# Altium PCB PMSM_Driver_V0.16.PcbDoc (part 2 of 2)
Units mil, origin at the board's own origin, x right, y up, seen from the top; angles counter-clockwise.
Board outline 3933.5 x 3936.3 mil, 2 copper layers (Top Layer, Bottom Layer); 174 components, 117 nets, 508 pads, 484 vias.
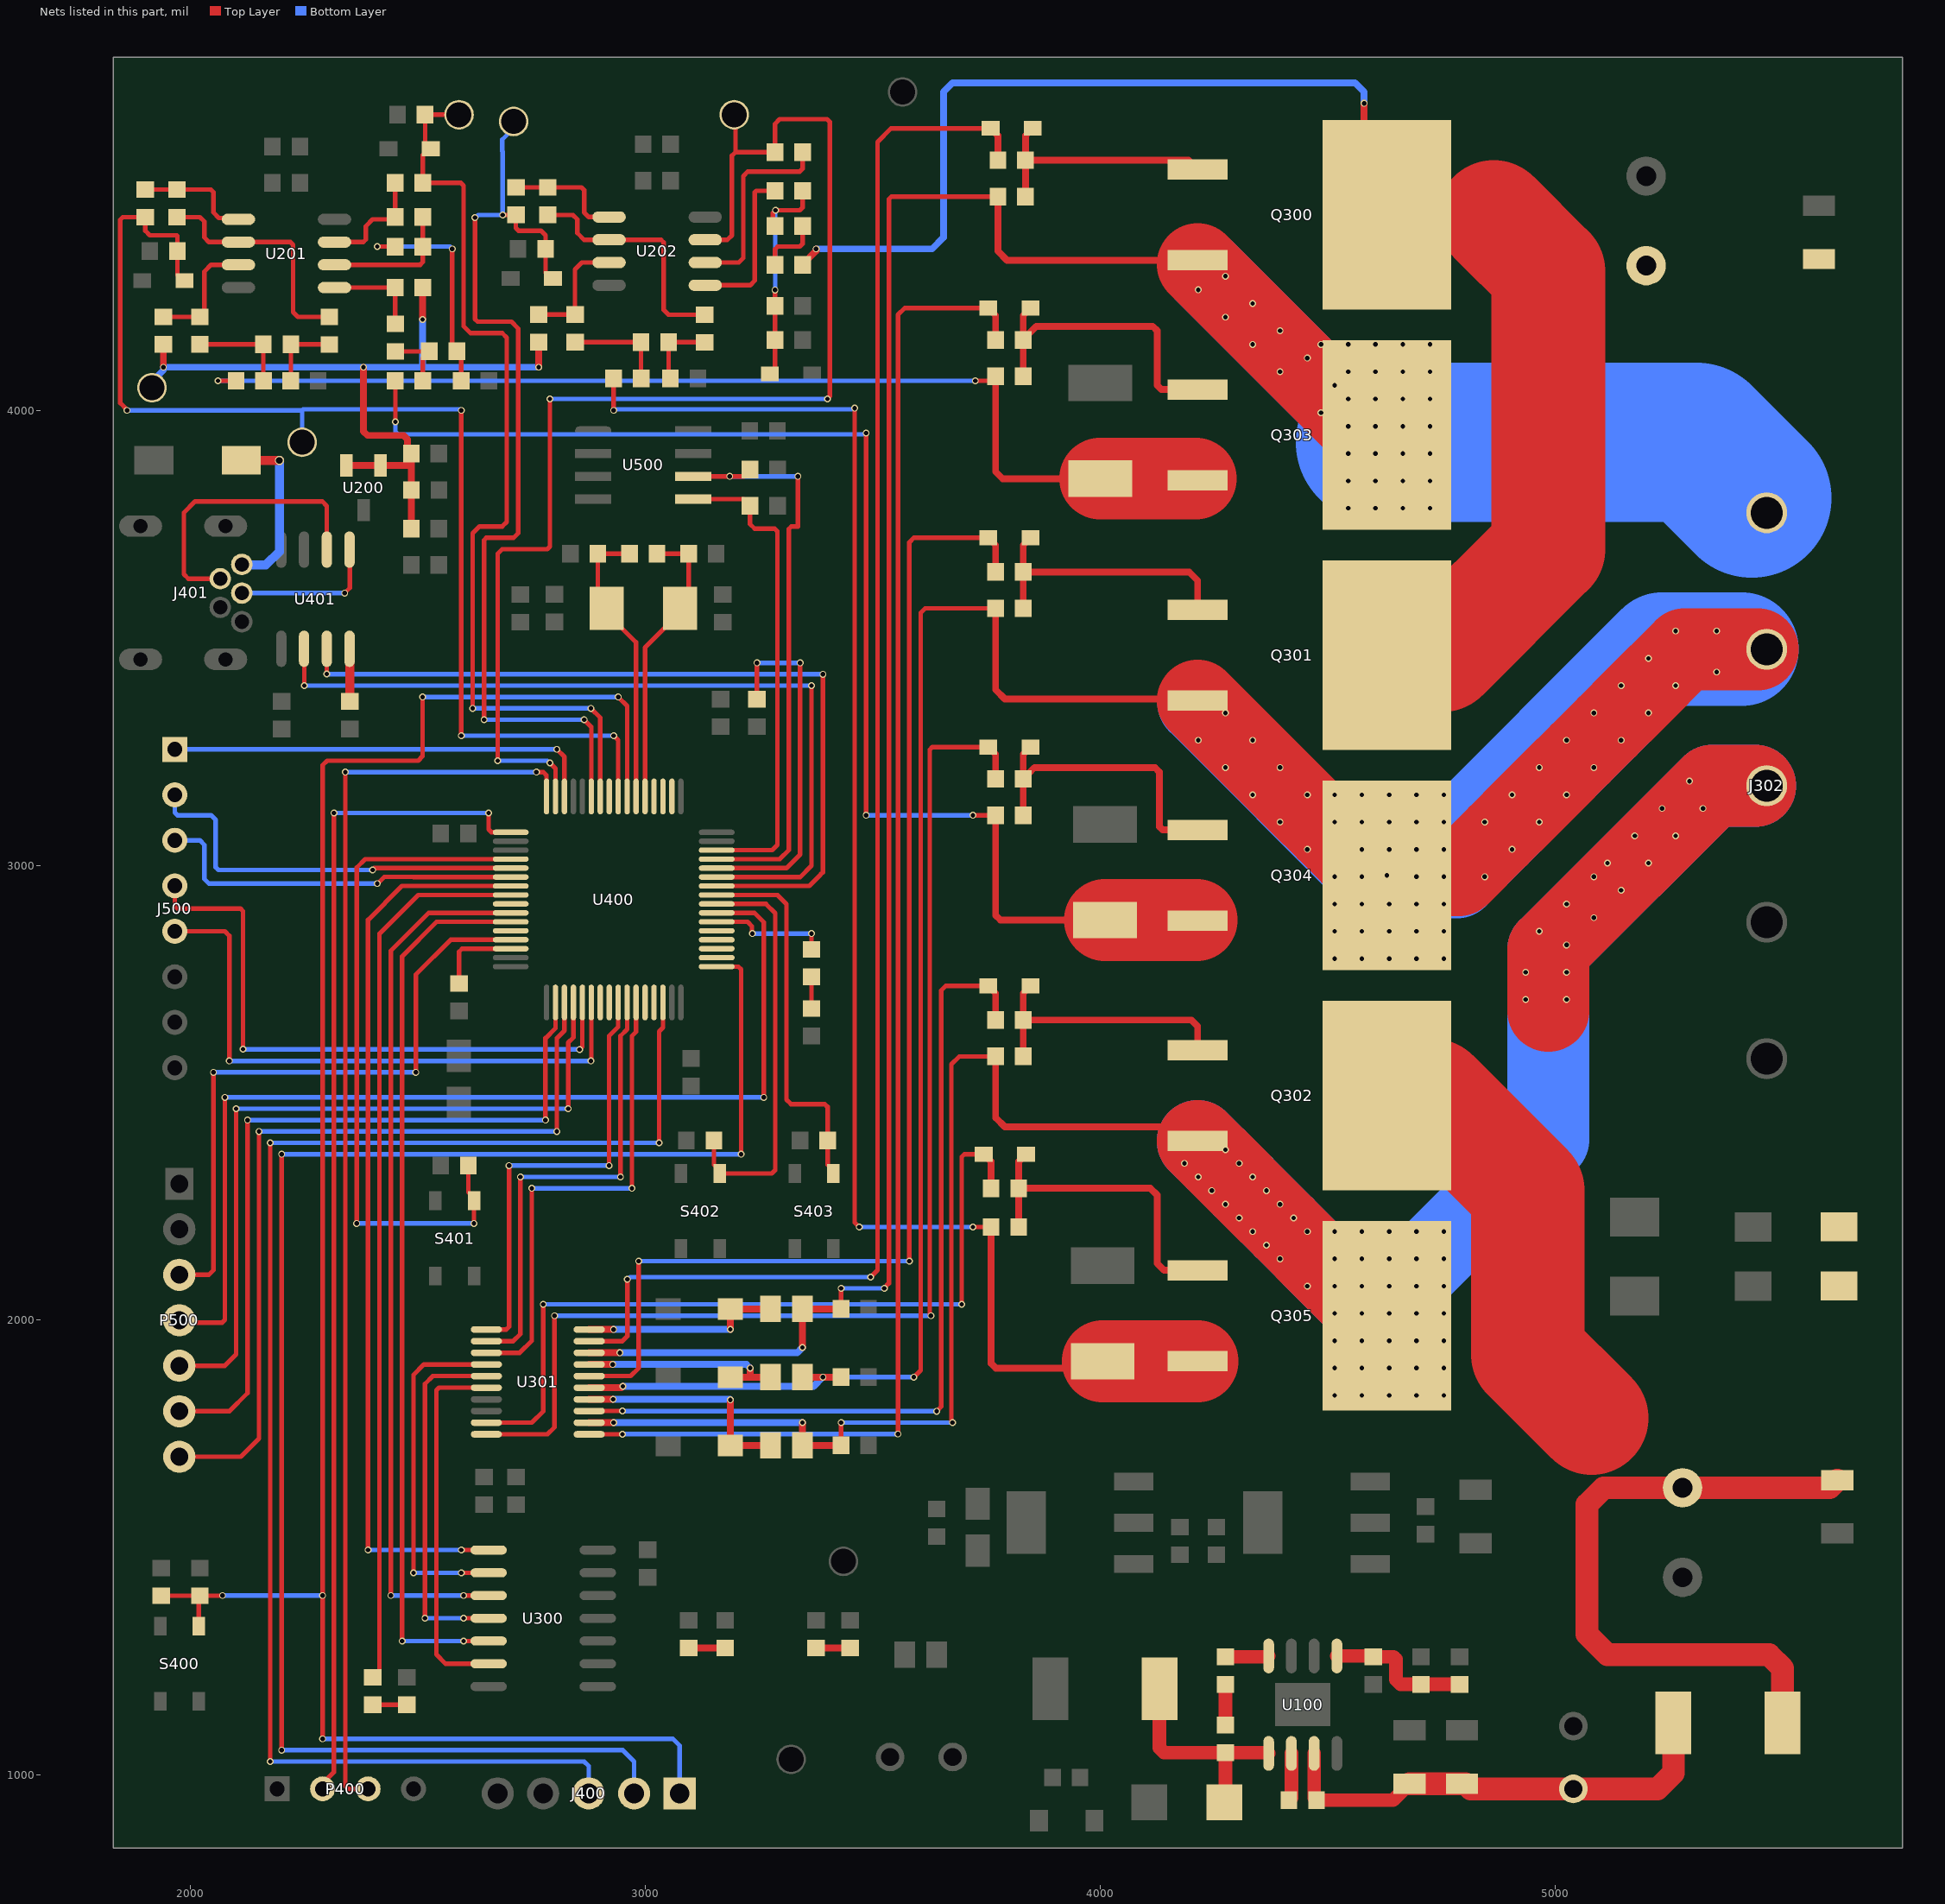
[diagram p2: the nets of this part, all layers, seen from the top]

## Via types
v1: diameter 15, hole 10, Top Layer to Bottom Layer, 465 vias
v2: diameter 30, hole 25, Top Layer to Bottom Layer, 11 vias
v3: diameter 24, hole 12, Top Layer to Bottom Layer, 4 vias
v4: diameter 20, hole 15, Top Layer to Bottom Layer, 3 vias
v5: diameter 30, hole 20, Top Layer to Bottom Layer, 1 vias

## Nets (pads, with @x,y where several pads share a name; then routed paths per layer and width w, separated by ;. In a path a pad name is that pad's centre, name@x,y a point inside that pad or via, vN(x,y) a via of type N, cw(c..) or ccw(c..) an arc to the next point about the centre after c; other vN are vias at no path point) (continued)
EG-VS1: C304.2 J302.1 Q300.3 Q303.4 R303.1 R306.2 U301.18 | length 5971.6
  Top Layer w10: R306.2@3429.68,2025 3429.68,2069.68 v1(3430,2070) ; v1(3525,2070) 3525,2071.35 3535,2081.35 3535,4464.14 3540.86,4470 R303.1@3774.69,4470
  Top Layer w15: U301.18@2876.06,1928.54 v1(2943.54,1928.54) ; v1(3345,1940) v1(3345,1940) C304.2@3345.04,2025 R306.2@3429.68,2025 ; R303.1@3774.69,4470 3774.69,4350.31 3795,4330 Q300.3@4213.8,4330
  Top Layer w180: Q300.3@4213.8,4321.2 4589,3946 Q303.4@4630,3946
  Bottom Layer w10: v1(3430,2070) v1(3525,2070)
  Bottom Layer w15: v1(2943.54,1928.54) 3333.54,1928.54 v1(3345,1940)
  Bottom Layer w180: 4229.8,4305.2 4605,3930
  Bottom Layer w350: 4605,3930 5310,3930 5432.5,3807.5
  other v1: 4545,3785 4605,3785 4665,3785 4725,3785 4545,3845 4605,3845 4665,3845 4725,3845 4545,3905 4605,3905 4665,3905 4725,3905 4545,3965 4605,3965 4665,3965 4725,3965 4485,3995 4545,4025 4605,4025 4665,4025 4725,4025 4515,4055 4395,4085 4545,4085 4605,4085 4665,4085 4725,4085 4455,4115 4335,4145 4485,4145 4545,4145 4605,4145 4665,4145 4725,4145 4395,4175 4275,4205 4335,4235 4215,4265 4275,4295
EG-VS2: C306.2 J302.2 Q301.3 Q304.4 R304.1 R307.2 U301.15 | length 6433.2
  Top Layer w10: v1(3590,1875) 3605,1890 3605,3555 3615,3565 R304.1@3769.69,3565
  Top Layer w15: U301.15@2876.06,1851.77 2946.91,1851.77 v1(2950,1854.86) ; C306.2@3345.04,1875 v1(3390,1875) R307.2@3429.68,1875 ; R304.1@3769.69,3565 3769.69,3386.12 3790,3365.8 4210,3365.8 Q301.3@4213.8,3362
  Top Layer w180: Q301.3@4213.8,3362 4317.9,3257.9 4377.9,3197.9 4437.9,3137.9 4497.9,3077.9 4597.8,2978 v1(4630,2978) 4695,2978 4788,2978 4875,3065 4935,3125 4995,3185 5055,3245 5115,3305 5175,3365 5285,3475 J302.2@5445,3475
  Bottom Layer w10: v1(3390,1875) v1(3590,1875)
  Bottom Layer w15: v1(2950,1854.86) 3369.86,1854.86 v1(3390,1875)
  Bottom Layer w180: 4215.02,3357.98 4599.02,2973.98 4783.98,2973.98
  Bottom Layer w250: 4783.98,3023.98 5235,3475 5410,3475
  other v1: 4515,2795 4575,2795 4635,2795 4695,2795 4755,2795 4515,2855 4575,2855 4635,2855 4695,2855 4755,2855 4515,2915 4575,2915 4635,2915 4695,2915 4755,2915 4515,2975 4575,2975 4695,2975 4755,2975 4845,2975 4455,3035 4575,3035 4635,3035 4695,3035 4755,3035 4905,3035 4395,3095 4515,3095 4575,3095 4635,3095 4695,3095 4755,3095 4845,3095 4965,3095 4335,3155 4455,3155 4515,3155 4575,3155 4635,3155 4695,3155 4755,3155 4905,3155 5025,3155 4275,3215 4395,3215 4965,3215 5085,3215 4215,3275 4335,3275 5025,3275 5145,3275 4275,3335 5085,3335 5205,3335 5145,3395 5265,3395 5355,3425 5205,3455 5265,3515 5355,3515
EG-VS3: C307.2 J302.3 Q302.3 Q305.4 R305.1 R308.2 U301.12 | length 5818.7
  Top Layer w10: R308.2@3429.68,1725 3429.68,1774.68 v1(3430,1775) ; v1(3675,1775) 3672.5,1777.5 3672.5,2562.5 3690,2580 R305.1@3769.69,2580
  Top Layer w15: U301.12@2876.06,1775 v1(2930,1775) ; v1(3345,1775) C307.2@3345.04,1725 C307.2@3345.04,1725 R308.2@3429.68,1725 ; R305.1@3769.69,2580 3769.69,2445.31 3790,2425 4182.8,2425 Q302.3@4213.8,2394
  Top Layer w180: Q302.3@4213.8,2394 4283.9,2323.9 4343.9,2263.9 4403.9,2203.9 4493.9,2113.9 4597.8,2010 Q305.4@4630,2010 ; 4985,2680 4985,2815 5345,3175 J302.3@5440,3175
  Bottom Layer w10: v1(3430,1775) v1(3675,1775)
  Bottom Layer w15: v1(2930,1775) v1(3345,1775)
  Bottom Layer w180: 4213.8,2394 4253.9,2353.9 4313.9,2293.9 4403.9,2203.9 4523.9,2083.9 4597.8,2010 4985,2397.2 4985,2815 5345,3175 J302.3@5440,3175
  other v1: 4515,1835 4575,1835 4635,1835 4695,1835 4755,1835 4515,1895 4575,1895 4635,1895 4695,1895 4755,1895 4515,1955 4575,1955 4635,1955 4695,1955 4755,1955 4515,2015 4575,2015 4635,2015 4695,2015 4755,2015 4455,2075 4515,2075 4575,2075 4635,2075 4695,2075 4755,2075 4395,2135 4515,2135 4575,2135 4635,2135 4695,2135 4755,2135 4365,2165 4335,2195 4455,2195 4515,2195 4575,2195 4635,2195 4695,2195 4755,2195 4305,2225 4425,2225 4275,2255 4395,2255 4245,2285 4365,2285 4215,2315 4335,2315 4185,2345 4305,2345 4275,2375 4935,2705 5025,2705 4935,2765 5025,2765 5025,2825 4965,2855 5085,2885 5025,2915 5145,2945 5085,2975 5115,3005 5205,3005 5175,3065 5265,3065 5235,3125 5325,3125 5295,3185
HO1: D300.2 R300.1 U301.19 | length 3589.4
  Top Layer w10: U301.19@2876.06,1954.13 2949.13,1954.13 2960,1965 v1(2960,2090) ; v1(3495,2095) 3510,2110 3510,4590 3540,4620 D300.2@3758.54,4620
  Top Layer w15: D300.2@3758.54,4620 3774.69,4603.86 R300.1@3774.69,4550
  Bottom Layer w10: v1(2960,2090) 2961.35,2090 2966.35,2095 v1(3495,2095)
HO2: D301.2 R301.1 U301.16 | length 2785.6
  Top Layer w10: U301.16@2876.06,1877.36 2940.54,1877.36 2940.61,1877.43 2967.43,1877.43 2985,1895 v1(2985,2130) ; v1(3580,2130) 3580,3710 3590,3720 D301.2@3753.54,3720
  Top Layer w15: D301.2@3753.54,3720 3769.69,3703.86 R301.1@3769.69,3645
  Bottom Layer w10: v1(2985,2130) v1(3580,2130)
HO3: D302.2 R302.1 U301.13 | length 1882.7
  Top Layer w10: U301.13@2876.06,1800.59 v1(2949.41,1800.59) ; v1(3640,1800) 3650,1810 3650,2725 3660,2735 D302.2@3753.54,2735
  Top Layer w15: D302.2@3753.54,2735 3769.69,2718.86 R302.1@3769.69,2660
  Bottom Layer w10: v1(2949.41,1800.59) 2950,1800 v1(3640,1800)
HSE_IN: C400.2 OSC400.1 R401.1 U400.5 | length 642.7
  Top Layer w10: U400.5@2998.9,3151.37 2998.9,3478.34 3075.71,3555.15 OSC400.1@3075.71,3564.99 3094.68,3583.97 C400.2@3094.68,3685 R401.1@3025.31,3685
HSE_OUT: C401.2 OSC400.2 R401.2 U400.6 | length 637.7
  Top Layer w10: R401.2@2964.68,3685 C401.2@2895.32,3685 2895.32,3583.97 OSC400.2@2914.29,3564.99 2914.29,3555.15 2979.21,3490.23 U400.6@2979.21,3151.37
LO1: D303.2 R309.1 U301.11 | length 3420.6
  Top Layer w10: U301.11@2876.06,1749.41 v1(2949.41,1749.41) ; v1(3555,1750) 3555,4210 3570,4225 D303.2@3753.54,4225
  Top Layer w15: D303.2@3753.54,4225 3769.69,4208.86 R309.1@3769.69,4155
  Bottom Layer w10: v1(2949.41,1749.41) 2950,1750 v1(3555,1750)
LO2: D304.2 R310.1 U301.10 | length 2681.8
  Top Layer w10: U301.10@2650,1749.41 2784.41,1749.41 2800,1765 v1(2800,2010) ; v1(3627.5,2010) 3625,2012.5 3625,3254.14 3630.86,3260 D304.2@3753.54,3260
  Top Layer w15: D304.2@3753.54,3260 3769.69,3243.86 R310.1@3769.69,3190
  Bottom Layer w10: v1(2800,2010) v1(3627.5,2010)
LO3: D305.2 R311.1 U301.9 | length 1747.2
  Top Layer w10: U301.9@2650,1775 2750,1775 2775,1800 v1(2775,2035) ; v1(3695,2035) 3695,2359.14 3700.86,2365 D305.2@3743.54,2365
  Top Layer w15: D305.2@3743.54,2365 3759.69,2348.86 R311.1@3759.69,2290
  Bottom Layer w10: v1(2775,2035) v1(3695,2035)
MOTOR_AMP-U: Q303.3 R209.1 R312.1 R315.2 | length 2401.2
  Top Layer w10: v1(2060,4065) R209.1@2099.69,4065 ; v1(3725,4065) R312.1@3769.69,4065
  Top Layer w15: R312.1@3769.69,4065 3769.69,3865.31 3785,3850 R315.2@4000,3850 ; Q303.3@4209.8,3850 Q303.3@4213.8,3846
  Top Layer w180: R315.2@4000,3850 Q303.3@4209.8,3850
  Bottom Layer w10: v1(2060,4065) v1(3725,4065)
MOTOR_AMP-V: Q304.3 R211.1 R313.1 R316.2 | length 2943.8
  Top Layer w10: R211.1@2449.69,4065 2450,4064.69 v1(2450,3975) ; v1(3485,3110) v1(3485,3950) ; v1(3720,3110) R313.1@3769.69,3110
  Top Layer w15: R313.1@3769.69,3110 3769.69,2890.31 3780,2880 R316.2@4010,2880 ; Q304.3@4211.8,2880 Q304.3@4213.8,2878
  Top Layer w180: R316.2@4010,2880 Q304.3@4211.8,2880
  Bottom Layer w10: v1(2450,3975) 2450,3953.36 2455.86,3947.5 3481.15,3947.5 3483.65,3950 v1(3485,3950) ; v1(3485,3110) v1(3720,3110)
MOTOR_AMP-W: Q305.3 R223.1 R314.1 R317.2 | length 3460.3
  Top Layer w10: R223.1@2929.69,4070 2930,4069.69 v1(2930,4000) ; v1(3460,4005) 3460,2215 v1(3470,2205) ; v1(3720,2205) R314.1@3759.69,2205
  Top Layer w15: R314.1@3759.69,2205 3759.69,1905.31 3770,1895 3990,1895 R317.2@4005,1910
  Top Layer w180: R317.2@4005,1910 Q305.3@4213.8,1910
  Bottom Layer w10: v1(2930,4000) 2932.5,4002.5 3457.5,4002.5 v1(3460,4005) ; v1(3470,2205) v1(3720,2205)
NetC103_1: C103.1 R100.1 R102.2 U100.5 | length 322.2
  Top Layer w30: U100.5@4520,1262.11 4598.21,1262.11 R102.2@4600,1260.32 4644.68,1260.32 4650,1255 4650,1210 4660.31,1199.69 R100.1@4705,1199.69 C103.1@4790,1199.68
NetC104_1: C104.1 D100.2 L100.1 U100.1 | length 485.7
  Top Layer w30: L100.1@4130,1190 4130,1060 4140.32,1049.68 C104.1@4275,1049.68 ; D100.2@4272.68,940 4275,942.32 C104.1@4275,1049.68 ; U100.1@4370,1047.89 4368.21,1049.68 C104.1@4275,1049.68
NetC104_2: C104.2 R101.1 | length 89.4
  Top Layer w30: C104.2@4275,1110.31 R101.1@4275,1199.69
NetC105_1: C105.1 C106.2 C107.2 L101.2 R103.2 U100.3 | length 1034
  Top Layer w30: U100.3@4470,1047.89 4470,950.32 R103.2@4475.32,945 4643.66,945 C106.2@4680,981.34
  Top Layer w50: C106.2@4680,981.34 C107.2@4795,981.34 4802.68,981.34 4814.02,970 C105.1@5040,970 5225,970 5260,1005 L101.2@5260,1115
NetC207_1: C207.1 R209.2 R210.2 | length 219.9
  Top Layer w10: R210.2@2020,4145 C207.1@2159.68,4145 2159.68,4065.63 R209.2@2160.32,4065
NetC207_2: C207.2 R203.2 R204.2 | length 165.1
  Top Layer w10: R203.2@2219.68,4065 2220.32,4065.63 C207.2@2220.32,4145 2304.68,4145 R204.2@2305,4144.68
NetC208_1: C208.1 R211.2 R212.2 | length 145.8
  Top Layer w10: R212.2@2450,4129.68 2524.37,4129.68 C208.1@2524.68,4130 2524.68,4129.02 2510.32,4114.65 R211.2@2510.32,4065
NetC208_2: C208.2 R205.2 R206.2 | length 504.9
  Top Layer w10: v1(2410,4360) R206.2@2449.68,4360 ; v1(2575,4355) 2575,4140.31 C208.2@2585.32,4130 2594.68,4120.63 R205.2@2594.68,4065
  Bottom Layer w10: v1(2410,4360) 2570,4360 v1(2575,4355)
NetC211_1: C211.1 R223.2 R224.2 | length 225.1
  Top Layer w10: R224.2@2845,4150 C211.1@2990,4150 2990,4070.32 R223.2@2990.32,4070
NetC211_2: C211.2 R217.2 R218.2 | length 161.2
  Top Layer w10: R217.2@3054.68,4070 3050.63,4074.05 C211.2@3050.63,4150 3129.68,4150 R218.2@3130,4149.68
NetC213_2: C213.2 D203.1 R220.2 R221.2 R226.2 | length 503.6
  Top Layer w10: D203.1@3273.54,4080 3284.68,4091.14 R226.2@3284.68,4155 C213.2@3284.68,4230 v1(3284.68,4264.69) v1@3285,4265 ; R220.2@3284.68,4405 3280,4409.68 3280,4434.14 v1(3285.86,4440) 3339.46,4440 3345.31,4445.86 R221.2@3345.31,4482.66
  Bottom Layer w10: v1(3284.68,4264.69) 3285.27,4265.27 3285.27,4439.41 v1(3285.86,4440)
NetC403_2: C403.2 U400.30 | length 186.1
  Top Layer w10: C403.2@2590,2740.32 2590,2810 2596.73,2816.73 U400.30@2703.63,2816.73
NetC404_1: C404.1 U401.8 | length 116
  Top Layer w20: U401.8@2349.2,3476.03 2349.6,3475.63 2349.6,3360.71 C404.1@2350,3360.32
NetD105_K: D105.K R104.2 | length 82.1
  Top Layer w15: R104.2@3095,1279.68 3170,1279.68 D105.K@3175,1284.69
NetD106_K: D106.K R105.2 | length 75
  Top Layer w15: R105.2@3375,1279.68 D106.K@3450,1279.69
NetD300_1: D300.1 Q300.1 R300.2 R303.2 | length 615.5
  Top Layer w15: R303.2@3835.32,4470 R300.2@3835.32,4550 ; D300.1@3851.46,4620 3835.32,4603.86 R300.2@3835.32,4550 ; R300.2@3835.32,4550 Q300.1@4150.01,4550 ; Q300.1@4150.01,4550 4193.8,4550 Q300.1@4213.8,4530 4170.01,4530 Q300.1@4150.01,4550
NetD301_1: D301.1 Q301.1 R301.2 R304.2 | length 617.2
  Top Layer w15: R304.2@3830.32,3565 R301.2@3830.32,3645 ; D301.1@3846.46,3720 3830.32,3703.86 R301.2@3830.32,3645 ; Q301.1@4213.8,3562 4213.8,3626.2 4195,3645 R301.2@3830.32,3645
NetD302_1: D302.1 Q302.1 R302.2 R305.2 | length 603.1
  Top Layer w15: R305.2@3830.32,2580 R302.2@3830.32,2660 ; D302.1@3846.46,2735 3830.32,2718.86 R302.2@3830.32,2660 ; Q302.1@4213.8,2594 4213.8,2646.2 4200,2660 R302.2@3830.32,2660
NetD303_1: D303.1 Q303.1 R309.2 R312.2 | length 680.1
  Top Layer w15: R312.2@3830.32,4075 R309.2@3830.32,4155 R309.2@3830.32,4155.98 ; D303.1@3846.46,4225 3830.32,4208.86 R309.2@3830.32,4155.98 ; Q303.1@4213.8,4046 4134,4046 4125,4055 4125,4175 4115,4185 3859.33,4185 R309.2@3830.32,4155.98
NetD304_1: D304.1 Q304.1 R310.2 R313.2 | length 677.2
  Top Layer w15: R313.2@3830.32,3110 R310.2@3830.32,3190 R310.2@3830.32,3190.98 ; D304.1@3846.46,3260 3830.32,3243.86 R310.2@3830.32,3190.98 ; Q304.1@4213.8,3078 4137,3078 4130,3085 4130,3205 4120,3215 3855.32,3215 3842.11,3201.79 3841.12,3201.79 R310.2@3830.32,3190.98
NetD305_1: D305.1 Q305.1 R311.2 R314.2 | length 722.6
  Top Layer w15: R314.2@3820.32,2205 R311.2@3820.32,2290 ; D305.1@3836.46,2365 3820.32,2348.86 R311.2@3820.32,2290 ; Q305.1@4213.8,2110 4140,2110 4125,2125 4125,2275 4110,2290 R311.2@3820.32,2290
NetD400_1: D400.1 J401.1 | length 379.5
  Top Layer w20: D400.1@2111.16,3890 v4(2195,3890)
  Bottom Layer w20: J401.1@2112.39,3661.49 2113.88,3660 2165,3660 2195,3690 v4(2195,3890)
NetD401_A: D401.A R403.2 | length 69.4
  Top Layer w10: D401.A@3365,2685.32 R403.2@3365,2754.68
NetD402_A: D402.A R404.2 | length 75
  Top Layer w10: R404.2@2400,1154.68 D402.A@2475,1154.68
NetR101_2: R101.2 U100.8 | length 95.7
  Top Layer w30: R101.2@4275,1260.32 4368.21,1260.32 U100.8@4370,1262.11
NetR103_1: R103.1 U100.2 | length 105.1
  Top Layer w30: R103.1@4414.69,945 4420,950.31 U100.2@4420,1047.89
NetR201_1: R201.1 R207.1 U201.1 | length 258.1
  Top Layer w10: R207.1@1900,4485.31 R201.1@1970,4485.31 2044.14,4485.31 2050,4479.46 2050,4435 2062.17,4422.83 2102.17,4422.83 U201.1@2105,4420
NetR201_2: R201.2 R204.1 U201.2 | length 533.2
  Top Layer w10: R201.2@1970,4424.68 2020.32,4424.68 2030,4415 2030,4380 2040,4370 U201.2@2105,4370 2219.14,4370 2225,4364.14 2225,4215.86 2235.54,4205.31 R204.1@2305,4205.31
NetR202_1: R202.1 R208.1 U201.7 | length 251.2
  Top Layer w10: U201.7@2316.22,4370 2379.14,4370 2385,4375.86 2385,4405 2400,4420 2449.68,4420 R208.1@2449.68,4500
NetR202_2: R202.2 R206.1 U201.6 | length 290.7
  Top Layer w10: U201.6@2316.22,4320 2504.46,4320 2510.31,4325.86 R206.1@2510.31,4360 R202.2@2510.31,4420
NetR210_1: R210.1 R213.2 U201.3 | length 264.7
  Top Layer w10: R213.2@1940,4205.63 R210.1@2020,4205.63 2030,4215.63 2030,4305 2045,4320 U201.3@2105,4320
NetR212_1: R212.1 R214.2 U201.5 | length 213.3
  Top Layer w10: U201.5@2316.22,4270 R214.2@2449.68,4270 2449.68,4190.63 R212.1@2450,4190.31
NetR215_1: R215.1 U202.6 | length 441.6
  Top Layer w10: U202.6@3131.22,4325 3205,4325 3215,4335 3215,4515 3225,4525 3339.46,4525 3345.31,4530.86 R215.1@3345.31,4567.66
NetR216_1: R216.1 R222.1 U202.1 | length 261
  Top Layer w10: R222.1@2715,4490.31 R216.1@2785,4490.31 2859.14,4490.31 2865,4484.46 2865,4435 2875,4425 U202.1@2920,4425
NetR216_2: R216.2 R218.1 U202.2 | length 540.3
  Top Layer w10: R216.2@2785,4429.68 2840.32,4429.68 2850,4420 2850,4390 2865,4375 U202.2@2920,4375 3034.14,4375 3040,4369.14 3040,4220.86 3050.54,4210.31 R218.1@3130,4210.31
NetR219_2: R219.2 R220.1 | length 138.8
  Top Layer w10: R219.2@3284.68,4320 3284.68,4354.14 3290.54,4360 3339.46,4360 3345.31,4365.86 R220.1@3345.31,4405
NetR221_1: R221.1 U202.5 | length 353.2
  Top Layer w10: U202.5@3131.22,4275 3230,4275 3240,4285 3240,4479.07 3243.58,4482.66 R221.1@3284.68,4482.66
NetR224_1: R224.1 R225.2 U202.3 | length 260.6
  Top Layer w10: R225.2@2765,4210.63 R224.1@2845,4210.63 2845,4310 2860,4325 U202.3@2920,4325
NetR402_1: R402.1 U400.60 | length 1255.4
  Top Layer w10: U400.60@3156.37,2993.9 3310,2993.9 ; R402.1@3245,3365.31 v1(3245,3445) ; 3310,2993.9 3340,3023.9 ; 3310,2993.9 3340,3023.9 ; 3340,3023.9 v1(3340,3445) 3340,3023.9
  Bottom Layer w10: v1(3245,3445) v1(3340,3445)
NRST: C402.2 J400.5 R400.1 S400.1 U400.7 | length 4474.2
  Top Layer w10: R400.1@1935,1394.69 C402.2@2020,1394.68 ; S400.1@2017.83,1327.68 2017.83,1392.52 C402.2@2020,1394.68 ; v1(2070,1395) 2069.68,1394.68 C402.2@2020,1394.68 ; v1(2290,1080) 2290,3220 2300,3230 2500,3230 2510,3240 v1(2510,3370) ; v1(2940,3370) 2959.53,3350.47 U400.7@2959.53,3151.37
  Bottom Layer w10: v1(2070,1395) v1(2290,1395) ; v1(2290,1080) 3060,1080 3075,1065 J400.5@3075,960 ; v1(2510,3370) v1(2940,3370)
PA0: J500.1 U400.14 | length 950.6
  Top Layer w10: v1(2805,3255) 2821.73,3238.27 U400.14@2821.73,3151.37
  Bottom Layer w10: J500.1@1965,3255 v1(2805,3255)
PA1_ADC1_IN1_BUS_VOLTAGE: R215.2 T203.1 U202.7 U400.15 | length 2926
  Top Layer w10: v1(2675,3230) 2675,3685 2685,3695 2784.14,3695 2790,3700.86 v1(2790,4025) ; v1(2790,3225) 2802.05,3212.95 U400.15@2802.05,3151.37 ; U202.7@3131.22,4375 3180,4375 3190,4385 3190,4560 3197.66,4567.66 ; T203.1@3195,4650 3197.66,4647.34 3197.66,4567.66 ; v1(3400,4025) 3400,4026.35 3405,4031.35 3405,4634.14 3399.14,4640 3295,4640 3284.68,4629.68 R215.2@3284.68,4567.66 3197.66,4567.66
  Bottom Layer w10: v1(2675,3230) 2783.65,3230 2788.65,3225 v1(2790,3225) ; v1(2790,4025) v1(3400,4025) v1@3400.15,4025
PA2_UART2_TX: P400.3 U400.16 | length 2773.2
  Top Layer w10: v1(2340,3205) 2340,975.86 2345.86,970 P400.3@2390,970 ; v1(2760,3205) 2775,3205 2782.01,3197.99 2782.01,3151.72 U400.16@2782.36,3151.37
  Bottom Layer w10: v1(2340,3205) v1(2760,3205)
PA3_UART2_RX: P400.2 U400.17 | length 2582.7
  Top Layer w10: P400.2@2290,970 2290,982.02 2315,1007.02 v1(2315,3115) ; v1(2655,3115) 2655,3078.84 2660.86,3072.99 2703.28,3072.99 U400.17@2703.63,3072.64
  Bottom Layer w10: v1(2315,3115) v1(2655,3115)
PA4_START/STOP_BTN: C406.2 S401.1 U400.20 | length 1518.7
  Top Layer w10: v1(2365,2212.83) 2365,2995 2383.58,3013.58 U400.20@2703.63,3013.58 ; C406.2@2610.32,2340 2610.32,2282.09 2622.83,2269.57 S401.1@2622.83,2262.68 v1(2622.83,2212.83)
  Bottom Layer w10: v1(2365,2212.83) v1(2622.83,2212.83)
PA5: J500.2 U400.21 | length 892.5
  Top Layer w10: v1(2400,2990) 2403.9,2993.9 U400.21@2703.63,2993.9
  Bottom Layer w10: J500.2@1965,3155 1965,3115.86 1970.86,3110 2045,3110 2055,3100 2055,2995.86 2060.86,2990 v1(2400,2990)
PA6: J500.3 U400.22 | length 828
  Top Layer w10: v1(2410,2960) 2411.35,2960 2425.85,2974.5 2490,2974.5 2490.29,2974.21 U400.22@2703.63,2974.21
  Bottom Layer w10: J500.3@1965,3055 2020,3055 2030,3045 2030,2970 2040,2960 v1(2410,2960)
PA7_TIM1_CH1N_UL: U300.1 U400.23 | length 1994.5
  Top Layer w10: v1(2390,1495) 2390,2880 2464.53,2954.53 U400.23@2703.63,2954.53 ; v1(2595,1495) U300.1@2655,1495
  Bottom Layer w10: v1(2390,1495) v1(2595,1495)
PA7_TIM1_CH1N_UL-F: U300.2 U301.4 | length 769.5
  Top Layer w10: v1(2490,1445) 2490,1880 2512.95,1902.95 U301.4@2650,1902.95 ; v1(2595,1445) U300.2@2655,1445
  Bottom Layer w10: v1(2490,1445) v1(2595,1445)
PA8_TIM1_CH1_UH: U301.1 U400.41 | length 993.7
  Top Layer w10: U301.1@2650,1979.72 2694.14,1979.72 2700,1985.58 v1(2700,2340) ; v1(2920,2340) 2920,2625 2939.84,2644.84 U400.41@2939.84,2698.63
  Bottom Layer w10: v1(2700,2340) v1(2920,2340)
PA9_TIM1_CH2_VH: U301.2 U400.42 | length 1036.2
  Top Layer w10: U301.2@2650,1954.13 2709.13,1954.13 2725,1970 v1(2725,2315) ; v1(2945,2315) 2945,2625 2959.53,2639.53 U400.42@2959.53,2698.63
  Bottom Layer w10: v1(2725,2315) v1(2945,2315)
PA10_TIM1_CH3_WH: U301.3 U400.43 | length 1078.4
  Top Layer w10: U301.3@2650,1928.54 2723.54,1928.54 2750,1955 v1(2750,2290) ; v1(2970,2290) 2970,2625 2979.21,2634.21 U400.43@2979.21,2698.63
  Bottom Layer w10: v1(2750,2290) v1(2970,2290)
PA11: U400.44
PA12: U400.45
PA15: U400.50
PB0_TIM1_CH2N_VL: U300.3 U400.26 | length 1930.4
  Top Layer w10: v1(2440,1395) 2440,2812.37 2523.1,2895.47 U400.26@2703.63,2895.47 ; v1(2600,1395) U300.3@2655,1395
  Bottom Layer w10: v1(2440,1395) v1(2600,1395)
PB0_TIM1_CH2N_VL-F: U300.4 U301.5 | length 797.2
  Top Layer w10: v1(2515,1345) 2515,1860 2532.36,1877.36 U301.5@2650,1877.36 ; v1(2600,1345) U300.4@2655,1345
  Bottom Layer w10: v1(2515,1345) v1(2600,1345)
PB1_TIM1_CH3N_WL: U300.5 U400.27 | length 1965
  Top Layer w10: v1(2465,1295) 2465,2800 2540.79,2875.79 U400.27@2703.63,2875.79 ; v1(2600,1295) U300.5@2655,1295
  Bottom Layer w10: v1(2465,1295) v1(2600,1295)
PB1_TIM1_CH3N_WL-F: U300.6 U301.6 | length 816.4
  Top Layer w10: U301.6@2650,1851.77 2545.86,1851.77 2540,1845.91 2540,1265.36 2560.36,1245 U300.6@2655,1245
PB2: U400.28
PB3_I2C2_SDA: P500.4 U400.55 | length 2275.7
  Top Layer w10: P500.4@1975,2000 1980,1995 2069.14,1995 2075,2000.86 v1(2075,2490) ; U400.55@3156.37,2895.47 3239.53,2895.47 3260,2875 v1(3260,2490)
  Bottom Layer w10: v1(2075,2490) v1(3260,2490)
PB4_USER_BTN: C407.2 S402.1 U400.56 | length 904.7
  Top Layer w10: C407.2@3150.32,2395 3150.32,2342.09 3162.83,2329.57 S402.1@3162.83,2322.68 3277.68,2322.68 3285,2330 3285,2895 3264.84,2915.16 U400.56@3156.37,2915.16
PB5_USER_BTN: C408.2 S403.1 U400.57 | length 840.4
  Top Layer w10: U400.57@3156.37,2934.84 3290.16,2934.84 3310,2915 3310,2485 3320,2475 3394.46,2475 3400.32,2469.14 C408.2@3400.32,2395 3400.32,2342.09 3412.83,2329.57 S403.1@3412.83,2322.68
PB6_UART1_TX: U400.58 U401.7 | length 2305.8
  Top Layer w10: v1(2299.2,3420.8) U401.7@2299.2,3476.03 ; U400.58@3156.37,2954.53 3360,2954.53 ; 3360,2954.53 3385,2979.53 3385,2980 3390,2985 v1(3390,3420) 3390,2984.53 3360,2954.53
  Bottom Layer w10: v1(2299.2,3420.8) 2300,3420 v1(3390,3420)
PB7_UART1_RX: U400.59 U401.6 | length 2242.3
  Top Layer w10: U401.6@2249.2,3476.03 2250,3475.24 v1(2250,3395) ; U400.59@3156.37,2974.21 3340,2974.21 ; 3340,2974.21 3365,2999.21 ; 3340,2974.21 3365,2999.21 ; 3365,2999.21 v1(3365,3395) 3365,2999.21
  Bottom Layer w10: v1(2250,3395) v1(3365,3395)
PB8_I2C1_SCL: R500.1 U400.61 U500.6 | length 1286.4
  Top Layer w10: U500.6@3105,3855 v1(3185,3855) 3215.67,3855 3229.69,3869.02 R500.1@3229.69,3870 ; U400.61@3156.37,3013.58 3295,3013.58 3315,3033.58 3315,3739.14 3320.86,3745 3335,3745 v1(3335,3855)
  Bottom Layer w10: v1(3185,3855) v1(3335,3855)
PB9_I2C1_SDA: R501.1 U400.62 U500.5 | length 1065.8
  Top Layer w10: U500.5@3105,3805 3215.67,3805 3229.69,3790.98 R501.1@3229.69,3790 3229.69,3750.31 3240,3740 3284.14,3740 3290,3734.14 3290,3045 3278.27,3033.27 U400.62@3156.37,3033.27
PB10_I2C2_SCL: P500.3 U400.29 | length 1421.5
  Top Layer w10: P500.3@1975,2100 2040,2100 2050,2110 v1(2050,2545) ; v1(2495,2545) 2495,2760 2571.42,2836.42 U400.29@2703.63,2836.42
  Bottom Layer w10: P500.3@1975,2100 P500.3@1980,2105 ; v1(2050,2545) v1(2495,2545)
PB13_SPI2_SCK: P500.6 U400.34 | length 1689.3
  Top Layer w10: P500.6@1975,1800 2085,1800 2125,1840 v1(2125,2440) ; v1(2780,2440) 2780,2620 2802.05,2642.05 U400.34@2802.05,2698.63
  Bottom Layer w10: v1(2125,2440) v1(2780,2440)
PB14_SPI2_MISO: P500.7 U400.35 | length 1812.1
  Top Layer w10: P500.7@1975,1700 2110,1700 2150,1740 v1(2150,2415) ; v1(2805,2415) 2805,2620 2821.73,2636.73 U400.35@2821.73,2698.63
  Bottom Layer w10: v1(2150,2415) v1(2805,2415)
PB15_SPI2_SNSS: P500.5 U400.36 | length 1646.5
  Top Layer w10: P500.5@1975,1900 2075,1900 2100,1925 v1(2100,2465) ; v1@2830,2462.22 2830,2610 2841.42,2621.42 U400.36@2841.42,2698.63
  Bottom Layer w10: v1(2100,2465) v1(2830,2465)
PC0_ADC1_IN10_CURR_U: C209.2 D200.1 R207.2 T201.1 U400.8 | length 2689.3
  Top Layer w10: v1(1860,4000) 1860,4001.35 1845,4016.35 1845,4418.83 1850.86,4424.68 R207.2@1900,4424.68 1900,4395 1910,4385 1969.14,4385 1970.63,4383.51 C209.2@1970.63,4350 1970.63,4297.48 1983.11,4285 D200.1@1986.46,4285 ; v1(2595,3285) v1(2595,4000) ; v1(2930,3285) 2939.84,3275.16 U400.8@2939.84,3151.37
  Bottom Layer w10: v1(1860,4000) 2245,4000 ; T201.1@2245,3930 2245,4000 ; v1(2595,3285) v1(2930,3285) ; v1(2595,4000) 2592.5,4002.5 2247.5,4002.5 2245,4000
PC1: U400.9
PC2_ADC1_IN12_CURR_V: C210.2 D201.1 R208.2 T202.1 U400.10 | length 2045.3
  Top Layer w10: D201.1@2510.32,4560.75 R208.2@2510.32,4500 2594.14,4500 2600,4494.14 2600,4185 2615,4170 2685,4170 2695,4160 2695,3755 2685,3745 2635,3745 2620,3730 v1(2620,3345) ; D201.1@2515.32,4584.25 C210.2@2515.32,4650 T202.1@2590,4650 ; v1(2880,3345) 2900.47,3324.53 U400.10@2900.47,3151.37
  Bottom Layer w10: v1(2620,3345) v1(2880,3345)
PC3_ADC1_IN13_CURR_W: C212.2 D202.1 R222.2 T204.1 U400.11 | length 2160.7
  Top Layer w10: v1(2625,4423.83) 2625,4200.86 2630.86,4195 2705,4195 2720,4180 2720,3730 2710,3720 2650,3720 2645,3715 v1(2645,3320) ; v1(2686,4429.68) R222.2@2715,4429.68 2715,4400.86 2720.86,4395 2770,4395 2780.32,4384.69 C212.2@2780.32,4355 2780.32,4302.8 2793.11,4290 D202.1@2796.46,4290 ; v1(2865,3320) 2880.79,3304.21 U400.11@2880.79,3151.37
  Bottom Layer w10: v1(2625,4423.83) 2626.35,4423.83 2632.21,4429.68 v1(2686,4429.68) 2686,4569 2685,4570 2685,4595.12 2710,4620.12 T204.1@2710,4635 ; v1(2645,3320) v1(2865,3320)
PC4_FLASH_LED: R404.1 U400.24 | length 1965.1
  Top Layer w10: R404.1@2400,1215.31 2400.98,1215.31 2414.29,1228.62 2414.29,1229.61 2415,1230.31 2415,2849.68 2500.16,2934.84 U400.24@2703.63,2934.84
PC5: U400.25
PC6_UART6_TX: J500.4 U400.37 | length 1348.7
  Top Layer w10: J500.4@1965,2955 1965,2910.86 1970.86,2905 2109.14,2905 2115,2899.14 v1(2115,2596.04) ; v1(2855,2595) 2861.1,2601.1 U400.37@2861.1,2698.63
  Bottom Layer w10: v1(2115,2596.04) 2115.52,2595.52 2854.48,2595.52 v1(2855,2595)
PC7_UART6_RX: J500.5 U400.38 | length 1322
  Top Layer w10: J500.5@1965,2855 2075,2855 2085,2845 v1(2085,2570) ; v1@2880.79,2570.79 U400.38@2880.79,2698.63
  Bottom Layer w10: v1(2085,2570) v1(2880,2570)
PC8: U400.39
PC9: U400.40
PC10: U400.51
PC11: U400.52
PC12: U400.53
PC13: U400.2
PC14: U400.3
PC15: U400.4
PD2_FAULT_LED: R403.1 U400.54 | length 262.8
  Top Layer w10: U400.54@3156.37,2875.79 3224.21,2875.79 3234.04,2865.96 3234.04,2850.96 v1(3235,2850) ; R403.1@3365,2815.31 v1(3365,2850)
  Bottom Layer w10: v1(3235,2850) v1(3365,2850)
POWER: C300.1 C301.1 C302.1 C303.1 D102.1 D104.1 L101.1 Q300.4 Q301.4 Q302.4 R219.1 | length 5529.6
  Top Layer w15: R219.1@3345.31,4320 3345.31,4320.98 3375,4350.67 v1(3375,4355) ; v1(4580,4675) 4580,4480 Q300.4@4630,4430 ; Q302.4@4619,2505 Q302.4@4630,2494
  Top Layer w50: L101.1@5500,1115 5500,1235 5470,1265 5115,1265 5070,1310 5070,1595 5106.85,1631.85 C303.1@5280,1631.85 5603.19,1631.85 C302.1@5620,1648.66
  Top Layer w250: Q302.4@4630,2494 4731,2494 4940,2285 4940,1925 5080,1785 ; Q301.4@4630,3462 4752,3462 4985,3695 4985,4305 4865,4425
  Bottom Layer w15: v1(3375,4355) 3630,4355 3655,4380 3655,4700 3675,4720 4560,4720 4580,4700 v1(4580,4675)
SWCLK: J400.4 U400.49 | length 3637.9
  Top Layer w10: v1(2200,1055) v1(2200,2365) ; U400.49@3156.37,2777.36 3204.14,2777.36 3210,2771.5 v1(3210,2365)
  Bottom Layer w10: v1(2200,1055) 2950,1055 2975,1030 J400.4@2975,960 ; v1(2200,2365) v1(3210,2365)
SWDIO: J400.3 U400.46 | length 3291.2
  Top Layer w10: v1(2175,1030) v1(2175,2390) ; v1(3030,2390) 3030,2635 3038.27,2643.27 U400.46@3038.27,2698.63
  Bottom Layer w10: v1(2175,1030) 2865,1030 2875,1020 J400.3@2875,960 ; v1(2175,2390) v1(3030,2390)
USB_D+: J401.3 U401.1 | length 326.7
  Top Layer w10: v1(2338.5,3598.5) 2350,3610 2350,3693.17 U401.1@2349.2,3693.97
  Bottom Layer w10: J401.3@2112.39,3598.5 v1(2338.5,3598.5)
USB_D-: J401.2 U401.2 | length 643.8
  Top Layer w10: J401.2@2065,3630 1995,3630 1985,3640 1985,3775 2010,3800 2289.14,3800 2299.2,3789.94 U401.2@2299.2,3693.97
VB-EG2133-U: C304.1 D306.1 U301.20 | length 444
  Top Layer w15: U301.20@2876.06,1979.72 v1(2929.72,1979.72) ; v1(3186.61,1980) D306.1@3186.61,2025 C304.1@3274.96,2025
  Bottom Layer w15: v1(2929.72,1979.72) 3186.33,1979.72 v1(3186.61,1980)
VB-EG2133-V: C306.1 D307.1 U301.17 | length 465
  Top Layer w15: U301.17@2876.06,1902.95 v1(2927.95,1902.95) ; D307.1@3186.61,1875 3229,1875 3230,1876 v1(3230,1895) ; 3230,1875 C306.1@3274.96,1875
  Bottom Layer w15: v1(2927.95,1902.95) 3222.05,1902.95 v1(3230,1895)
VB-EG2133-W: C307.1 D308.1 U301.14 | length 499.4
  Top Layer w15: U301.14@2876.06,1826.18 v1(2928.82,1826.18) ; v1(3186.61,1825) D308.1@3186.61,1725 C307.1@3274.96,1725
  Bottom Layer w15: v1(2928.82,1826.18) 3185.43,1826.18 v1(3186.61,1825)
VCC1.25REF: C205.2 C206.2 R200.2 R213.1 R214.1 R225.1 T200.1 U200.1 U200.2 | length 1748.8
  Top Layer w15: v1(1940,4095) R213.1@1940,4145 ; U200.2@2342.6,3879.21 U200.1@2417.4,3879.21 2484.21,3879.21 2485,3880 ; v1(2380,4095) 2380,3953.79 2388.79,3945 2468.01,3945 2476.79,3936.21 2476.79,3913.21 C205.2@2485,3905 2484.21,3904.21 2485,3903.43 2485,3880 ; R200.2@2485,3740 2485,3825 2485,3880 ; v1(2510,4200) 2510,4269.69 R214.1@2510.31,4270 ; v1(2765,4095) R225.1@2765,4150
  Bottom Layer w15: T200.1@1915,4050 1915,4063.53 1940,4088.53 v1(1940,4095) v1(2380,4095) 2510,4095 ; v1(2510,4200) 2510,4095 ; v1(2765,4095) 2510,4095
pads on no net: J401.0 J401.4 S400.2 S400.3 S401.2 S401.4 S402.2 S402.4 S403.2 S403.4 U100.6 U100.7 U100.9 U300.8 U300.9 U300.10 U300.11 U300.12 U300.13 U400.33 U401.4
copper on no net:
  other v3: 4425.32,1135.31 4464.69,1135.31 4425.32,1174.68 4464.69,1174.68

## Polygon pours and split planes (outlines as drawn)
POWER on Top Layer "NONET_L01_P-001" (solid, remove dead copper, pour order 4): 4980,1845 5540,1845 5540,1570 4980,1570
DGND on Top Layer "DGND_L01_P000" (solid, remove dead copper, pour order 0): 5010,1280 5010,1623.5 5016.17,1627.94 5016.17,1627.96 5021.16,1642.92 5021.17,1642.94 5021.5,1645 5015,1651.5 5010,1651.5 5010,1690 4980,1720 3645,1720 3630,1735 3630,4740 3640,4750 5485,4750 5520,4715 5520,4575 5705,4575 5740,4540 5740,1275 5720,1255 5035,1255
DGND on Top Layer "DGND_L01_P003" (solid, remove dead copper, pour order 3): 1850,1070 1860,1060 2035,1060 2050,1045 2045,1040 2045,870 2050,865 5330,865 5335,870 5335,1200 5315,1220 4880,1220 4870,1230 4870,1670 4860,1680 3585,1680 3580,1685 3580,4745 3575,4750 2065,4750 2055,4740 2055,4580 2045,4570 1855,4570 1850,4565
DGND on Bottom Layer "DGND_L02_P002" (solid, remove dead copper, pour order 2): 1850,1070 1860,1060 2035,1060 2050,1045 2045,1040 2045,870 2050,865 5330,865 5335,870 5335,1200 5315,1220 4880,1220 4870,1230 4870,1670 4860,1680 3585,1680 3580,1685 3580,4745 3575,4750 2065,4750 2055,4740 2055,4580 2045,4570 1855,4570 1850,4565
DGND on Bottom Layer "DGND_L02_P001" (solid, remove dead copper, pour order 1): 3630,1735 3645,1720 4980,1720 5010,1690 5010,1280 5035,1255 5720,1255 5740,1275 5740,4540 5705,4575 5520,4575 5520,4715 5485,4750 3640,4750 3630,4740

## Other copper
Top Layer:
  rectangle net DGND: 3890,2040 4075,2215
  rectangle net DGND: 3885,3015 4080,3185
  rectangle net DGND: 3890,3985 4070,4155
  region net POWER: 5565,1607.5 5565,4222.5 4500,4222.5 4500,4637.5 5025,4637.5 5025,4422.5 5055,4392.5 5740,4392.5 5740,1607.5
  region net 75V-PVDC: 5275,2647.5 5275,2137.5 5095,2137.5 5095,1972.5 5525,1972.5 5525,2647.5
Bottom Layer:
  rectangle net EG-VS1: 4480,3740 4795,4160
  rectangle net EG-VS3: 4485,1800 4800,2220
  rectangle net EG-VS2: 4490,2770 4805,3190
  region net EG-VS3: 4485,2680 4495,2670 4495,2125 5055,2125 5075,2145 5075,2680
  region net EG-VS2: 4490,3595 4490,3085 5015,3085 5342.5,3412.5 5360,3395 5525,3395 5525,3595

## Silkscreen, mask and mechanical layers (free items; w line width, h text height)
Top Overlay:
  circle w10: c1941.06,953.15 r98.43
  circle w10: c5649.72,953.15 r98.43
  circle w10: c5649.72,4661.81 r98.43
  circle w10: c1941.06,4661.81 r98.43
  text "100*100" at 1860,4810.74 h70
  text "W" at 2766.95,4617.04 h70
  text "GND" at 3479.49,4606.37 h90
  text "V" at 2566.95,4562.04 h70
  text "1.25V" at 1875,3965.74 h70
  text "U" at 2230,3835.74 h70
  text "U" at 5130.32,3746.17 h110
  text "V" at 5121.16,3430 h110
  text "A0" at 2160.6,3219.8 h70
  text "A5" at 2160.6,3121.94 h70
  text "W" at 5095,3115 h110
  text "A6" at 2160.6,3024.08 h70
  text "C6" at 2160.64,2926.22 h70
  text "U6" at 2270.64,2879.8 h70
  text "-" at 5151.62,2848.05 h140
  text "C7" at 2160.64,2828.37 h70
  text "5V" at 2160.64,2730.51 h70
  text "3V3" at 2160.64,2632.65 h70
  text "故障指示" at 3405,2631.34 h70
  text "DG" at 2160.64,2534.8 h70
  text "+" at 5135.04,2527.55 h120
  text "5V" at 2105.64,2290.74 h70
  text "B5" at 3450,2235.74 h70
  text "B4" at 2930,2230 h70
  text "GD" at 2105.64,2188.09 h70
  text "B10_SCL" at 2105.64,2097.14 h70
  text "A4" at 2550.6,2019.05 h70
  text "B3_SDA" at 2105.64,1994.48 h70
  text "B15_SNSS" at 2105.64,1891.82 h70
  text "B13_SCK" at 2105.64,1789.17 h70
  text "B14_MISO" at 2105.64,1686.51 h70
  text "11V" at 3300,1440 h70
  text "运行" at 2330.04,1271.12 h70
  text "3V3指示" at 2980,1161.7 h80
  text "11V指示" at 3245,1161.7 h80
  text "3V3" at 2113.53,1106.76 h70
  text "3V3" at 2610,1095.74 h70
  text "GD" at 2720,1095.74 h70
  text "复位" at 1915,1071.12 h70
  text "GND" at 3244.49,931.37 h90
Bottom Overlay:
  text "光伏水泵控制板" at 4206.9,2664.43 h120
  text "20230215_V0.16" at 4205.07,2516.38 h120
Mechanical 1:
  circle w10: c1941.06,953.15 r62.99
  circle w10: c5649.72,953.15 r62.99
  circle w10: c5649.72,4661.81 r62.99
  circle w10: c1941.06,4661.81 r62.99
  lines w10: 1825,4775.51 1825,840 5762.01,840 ; 1826.5,4777.01 5763.5,4777.01 5763.5,840